# KiCad board haptic display 8x8 aisler.kicad_pcb (continued)
## Routing (per net, layer and track width the routed paths; a pad name or vN(x,y) marks a point on that pad's centre or on a via; arc(x,y) is an arc through that point) (continued)
66.88,65.98 66.99,65.75 67.07,65.51 67.12,65.26 67.14,65 67.13,64.74 67.08,64.49 67.01,64.24 66.91,64 66.78,63.77 66.62,63.56 66.44,63.37 66.24,63.21 66.01,63.07 65.78,62.96 65.52,62.87 65.26,62.82 65,62.8 64.75,62.81 64.51,62.85 64.27,62.91 64.04,63 63.82,63.12 63.61,63.26 63.42,63.42 63.25,63.61 63.1,63.81 62.98,64.03 62.88,64.26 62.8,64.5 62.76,64.75 62.74,65 62.75,65.25 62.79,65.51 62.85,65.75 62.95,65.99 63.07,66.22 63.21,66.43 63.38,66.62 63.57,66.8 63.77,66.95 64,67.08 64.24,67.18 64.48,67.26 64.74,67.31 65,67.33 65.26,67.31 65.52,67.28 65.77,67.21 66.02,67.11 66.25,66.99 66.47,66.84 66.67,66.67 66.85,66.47 67,66.26 67.13,66.03 67.24,65.78 67.32,65.53 67.37,65.27 67.39,65 67.38,64.73 67.34,64.47 67.27,64.21 67.17,63.96 67.04,63.72 66.89,63.49 66.71,63.29 66.51,63.11 66.29,62.94 66.06,62.81 65.8,62.7 65.54,62.62 65.27,62.57 65,62.55 64.74,62.56 64.49,62.6 64.24,62.66 64,62.75 63.76,62.86 63.55,63 63.34,63.16 63.15,63.34 62.99,63.54 62.84,63.75 62.72,63.98 62.62,64.23 62.55,64.48 62.51,64.74 62.49,65 62.5,65.26 62.53,65.52 62.6,65.78 62.69,66.03 62.81,66.27 62.95,66.49 63.11,66.7 63.3,66.89 63.5,67.06 63.72,67.21 63.96,67.34 64.21,67.44 64.47,67.51 64.73,67.56 65,67.58 65.27,67.57 65.54,67.53 65.8,67.46 66.05,67.37 66.3,67.25 66.53,67.1 66.74,66.94 66.94,66.75 67.11,66.54 67.27,66.31 67.39,66.07 67.5,65.81 67.57,65.55 67.62,65.28 67.64,65 67.63,64.72 67.59,64.45 67.52,64.18 67.42,63.92 67.3,63.67 67.15,63.44 66.98,63.22 66.79,63.02 66.57,62.84 66.34,62.68 66.09,62.55 65.83,62.44 65.56,62.37 65.28,62.32 65,62.3 64.73,62.31 64.47,62.34 64.21,62.41 63.96,62.49 63.72,62.6 63.49,62.74 63.27,62.89 63.07,63.07 62.89,63.26 62.72,63.48 62.58,63.71 62.46,63.95 62.37,64.2 62.3,64.46 62.25,64.73 62.24,65 62.25,65.27 62.28,65.54 62.35,65.81 62.43,66.06 62.55,66.31 62.68,66.55 62.84,66.77 63.02,66.98 63.23,67.16 63.44,67.33 63.68,67.47 63.92,67.6 64.18,67.69 64.45,67.76 64.72,67.81 65,67.83 65.28,67.82 65.55,67.78 65.82,67.71 66.09,67.62 66.34,67.51 66.58,67.37 66.81,67.2 67.02,67.02 67.21,66.81 67.38,66.59 67.53,66.35 67.65,66.1 67.75,65.83 67.82,65.56 67.87,65.28 67.89,65 67.88,64.72 67.84,64.44 67.77,64.16 67.68,63.89 67.56,63.63 67.42,63.38 67.25,63.15 67.06,62.94 66.85,62.74 66.63,62.57 66.38,62.42 66.12,62.29 65.85,62.19 65.57,62.11 65.29,62.07 65,62.05 64.73,62.06 64.46,62.09 64.19,62.15 63.93,62.24 63.68,62.34 63.44,62.47 63.21,62.63 62.99,62.8 62.8,62.99 62.62,63.2 62.46,63.43 62.32,63.67 62.2,63.92 62.11,64.18 62.05,64.45 62,64.72 61.99,65 62,65.28 62.03,65.55 62.09,65.83 62.18,66.09 62.29,66.35 62.42,66.6 62.58,66.83 62.75,67.05 62.95,67.25 63.16,67.43 63.39,67.6 63.64,67.74 63.89,67.85 64.16,67.95 64.44,68.02 64.72,68.06 65,68.08 65.28,68.07 65.57,68.03 65.84,67.97 66.12,67.88 66.38,67.77 66.63,67.63 66.87,67.47 67.09,67.29 67.3,67.09 67.48,66.88 67.65,66.64 67.79,66.39 67.91,66.13 68.01,65.86 68.08,65.58 68.12,65.29 68.14,65 68.13,64.71 68.09,64.42 68.03,64.14 67.94,63.86 67.83,63.59 67.69,63.34 67.52,63.09 67.34,62.87 67.14,62.66 66.91,62.47 66.67,62.3 66.42,62.15 66.15,62.03 65.87,61.93 65.59,61.86 65.29,61.82 65,61.8 64.72,61.81 64.44,61.84 64.17,61.9 63.9,61.98 63.64,62.08 63.39,62.21 63.15,62.36 62.93,62.53 62.72,62.72 62.52,62.92 62.35,63.14 62.19,63.38 62.06,63.63 61.95,63.89 61.86,64.16 61.79,64.43 61.75,64.72 61.74,65 61.75,65.28 61.78,65.57 61.84,65.85 61.92,66.12 62.03,66.39 62.16,66.64 62.31,66.89 62.48,67.11 62.67,67.33 62.88,67.53 63.11,67.7 63.35,67.86 63.6,68 63.87,68.11 64.14,68.2 64.42,68.27 64.71,68.31 65,68.33 65.29,68.32 65.58,68.28 65.86,68.22 66.14,68.14 66.41,68.03 66.67,67.9 66.92,67.74 67.16,67.57 67.37,67.37 67.57,67.16 67.75,66.93 67.92,66.68 68.05,66.42 68.17,66.15 68.26,65.87 68.33,65.59 68.37,65.29 68.39,65 68.38,64.7 68.34,64.41 68.28,64.12 68.2,63.84 68.09,63.56 67.95,63.3 67.79,63.04 67.62,62.8 67.42,62.58 67.2,62.38 66.96,62.19 66.71,62.03 66.45,61.89 66.18,61.77 65.89,61.68 65.6,61.61 65.3,61.57 65,61.55 64.71,61.56 64.43,61.59 64.15,61.65 63.88,61.72 63.61,61.83 63.35,61.95 63.1,62.09 62.86,62.26 62.64,62.44 62.44,62.64 62.25,62.86 62.08,63.09 61.93,63.34 61.8,63.6 61.69,63.86 61.6,64.14 61.54,64.42 61.5,64.71 61.49,65 61.5,65.29 61.53,65.58 61.59,65.86 61.67,66.14 61.77,66.42 61.89,66.68 62.04,66.93 62.21,67.17 62.39,67.4 62.6,67.61 62.82,67.8 63.06,67.97 63.31,68.13 63.57,68.26 63.84,68.37 64.12,68.46 64.41,68.52 64.71,68.56 65,68.58 65.3,68.57 65.59,68.53 65.88,68.48 66.17,68.39 66.44,68.29 66.71,68.16 66.97,68.01 67.21,67.84 67.44,67.65 67.65,67.44 67.85,67.22 68.03,66.98 68.18,66.72 68.32,66.45 68.43,66.18 68.52,65.89 68.58,65.6 68.62,65.3 68.64,65 68.63,64.7 68.59,64.4 68.54,64.1 68.45,63.81 68.35,63.53 68.22,63.26 68.06,63 67.89,62.75 67.7,62.52 67.49,62.3 67.26,62.1 67.01,61.92 66.75,61.76 66.48,61.63 66.2,61.51 65.91,61.42 65.61,61.36 65.31,61.32 65,61.3 64.71,61.31 64.42,61.34 64.13,61.39 63.85,61.47 63.58,61.57 63.31,61.69 63.06,61.83 62.81,61.99 62.58,62.17 62.36,62.36 62.16,62.57 61.98,62.8 61.81,63.05 61.66,63.3 61.54,63.57 61.43,63.84 61.35,64.12 61.29,64.41 61.25,64.71 61.24,65 61.25,65.3 61.28,65.59 61.33,65.88 61.41,66.17 61.51,66.45 61.63,66.72 61.77,66.98 61.94,67.23 62.12,67.46 62.32,67.68 62.53,67.89 62.77,68.07 63.01,68.24 63.27,68.39 63.54,68.52 63.82,68.63 64.11,68.71 64.4,68.77 64.7,68.81 65,68.83 65.3,68.82 65.6,68.78 65.9,68.73 66.19,68.65 66.47,68.55 66.75,68.42 67.01,68.28 67.26,68.11 67.5,67.93 67.73,67.73 67.93,67.51 68.12,67.27 68.3,67.02 68.45,66.76 68.58,66.48 68.69,66.2 68.77,65.91 68.83,65.61 68.87,65.3 68.89,65 68.88,64.69 68.85,64.39 68.79,64.09 68.71,63.79 68.61,63.51 68.48,63.23 68.33,62.96 68.17,62.7 67.98,62.46 67.77,62.23 67.55,62.02 67.31,61.82 67.05,61.65 66.78,61.5 66.51,61.37 66.22,61.26 65.92,61.17 65.62,61.1 65.31,61.07 65,61.05 64.7,61.06 64.41,61.09 64.12,61.14 63.83,61.21 63.55,61.31 63.28,61.43 63.01,61.56 62.76,61.72 62.52,61.89 62.29,62.08 62.08,62.29 61.88,62.51 61.7,62.75 61.54,63 61.4,63.27 61.28,63.54 61.18,63.82 61.1,64.11 61.04,64.4 61,64.7 60.99,65 61,65.3 61.03,65.6 61.08,65.89 61.15,66.19 61.25,66.47 61.37,66.75 61.51,67.02 61.67,67.27 61.84,67.52 62.04,67.75 62.25,67.97 62.48,68.17 62.72,68.35 62.97,68.51 63.24,68.66 63.52,68.78 63.8,68.88 64.1,68.96 64.39,69.02 64.7,69.06 65,69.08 65.3,69.07 65.61,69.04 65.91,68.98 66.2,68.91 66.49,68.81 66.78,68.69 67.05,68.55 67.31,68.39 67.56,68.21 67.79,68.01 68.01,67.79 68.21,67.56 68.4,67.32 68.57,67.06 68.71,66.79 68.84,66.51 68.94,66.22 69.03,65.92 69.09,65.62 69.12,65.31 69.14,65 69.13,64.69 69.1,64.38 69.04,64.08 68.97,63.78 68.87,63.48 68.74,63.2 68.6,62.92 68.44,62.66 68.26,62.4 68.05,62.17 67.84,61.94 67.6,61.74 67.35,61.55 67.09,61.38 66.81,61.23 66.53,61.1 66.23,61 65.93,60.91 65.63,60.85 65.31,60.81 65,60.8 64.7,60.81 64.4,60.84 64.11,60.89 63.81,60.96 63.53,61.05 63.25,61.16 62.98,61.3 62.72,61.45 62.47,61.62 62.23,61.8 62.01,62.01 61.8,62.23 61.61,62.46 61.43,62.71 61.28,62.97 61.14,63.24 61.02,63.52 60.92,63.8 60.84,64.1 60.79,64.39 60.75,64.7 60.74,65 60.75,65.3 60.78,65.61 60.83,65.91 60.9,66.2 60.99,66.49 61.11,66.78 61.24,67.05 61.4,67.32 61.57,67.57 61.76,67.81 61.96,68.04 62.19,68.25 62.42,68.44 62.67,68.62 62.94,68.78 63.21,68.92 63.49,69.04 63.78,69.14 64.08,69.22 64.39,69.28 64.69,69.31 65,69.33 65.31,69.32 65.62,69.29 65.92,69.23 66.22,69.16 66.52,69.07 66.8,68.95 67.08,68.81 67.35,68.66 67.61,68.48 67.85,68.29 68.08,68.08 68.29,67.85 68.49,67.61 68.67,67.36 68.83,67.09 68.98,66.82 69.1,66.53 69.2,66.23 69.28,65.93 69.34,65.62 69.37,65.31 69.39,65 69.38,64.69 69.35,64.37 69.3,64.07 69.22,63.76 69.12,63.46 69.01,63.17 68.87,62.89 68.71,62.62 68.53,62.36 68.34,62.11 68.12,61.88 67.9,61.66 67.65,61.46 67.39,61.28 67.12,61.11 66.84,60.97 66.55,60.84 66.25,60.74 65.94,60.66 65.63,60.6 65.32,60.56 65,60.55 64.05,60.55 ; 64.59,48.98 64.63,48.97 65,48.6 65,48.55 64.79,48.56 64.59,48.6 64.39,48.67 64.2,48.76 64.03,48.88 63.88,49.03 63.75,49.19 63.64,49.38 63.56,49.58 63.51,49.79 63.49,50 63.5,50.22 63.54,50.43 63.61,50.64 63.71,50.83 63.84,51.01 63.99,51.17 64.16,51.31 64.35,51.42 64.56,51.5 64.78,51.55 65,51.58 65.22,51.56 65.45,51.52 65.66,51.45 65.86,51.34 66.05,51.21 66.22,51.05 66.36,50.87 66.47,50.67 66.56,50.46 66.62,50.23 66.64,50 66.63,49.77 66.58,49.54 66.51,49.31 66.4,49.1 66.26,48.91 66.09,48.74 65.91,48.59 65.7,48.47 65.48,48.38 65.24,48.32 65,48.3 64.78,48.31 64.56,48.35 64.34,48.41 64.14,48.51 63.95,48.63 63.78,48.78 63.62,48.94 63.49,49.13 63.39,49.33 63.31,49.55 63.26,49.77 63.24,50 63.25,50.23 63.29,50.46 63.36,50.68 63.46,50.89 63.58,51.09 63.73,51.27 63.9,51.43 64.1,51.56 64.31,51.67 64.53,51.75 64.76,51.8 65,51.83 65.24,51.81 65.48,51.77 65.7,51.7 65.92,51.6 66.13,51.47 66.31,51.31 66.48,51.13 66.62,50.93 66.73,50.72 66.81,50.49 66.87,50.25 66.89,50 66.88,49.75 66.83,49.51 66.76,49.27 66.65,49.05 66.52,48.84 66.36,48.64 66.17,48.47 65.96,48.33 65.74,48.21 65.5,48.13 65.25,48.07 65,48.05 64.76,48.06 64.53,48.1 64.3,48.16 64.08,48.26 63.88,48.38 63.69,48.52 63.52,48.68 63.36,48.87 63.24,49.07 63.13,49.29 63.06,49.52 63.01,49.76 62.99,50 63,50.24 63.04,50.48 63.1,50.72 63.2,50.94 63.32,51.16 63.47,51.35 63.64,51.53 63.83,51.69 64.04,51.82 64.27,51.93 64.51,52.01 64.75,52.06 65,52.08 65.25,52.06 65.5,52.02 65.74,51.95 65.97,51.85 66.19,51.73 66.4,51.57 66.58,51.4 66.74,51.2 66.88,50.98 66.99,50.75 67.07,50.51 67.12,50.26 67.14,50 67.13,49.74 67.08,49.49 67.01,49.24 66.91,49 66.78,48.77 66.62,48.56 66.44,48.37 66.24,48.21 66.01,48.07 65.78,47.96 65.52,47.87 65.26,47.82 65,47.8 64.75,47.81 64.51,47.85 64.27,47.91 64.04,48 63.82,48.12 63.61,48.26 63.42,48.42 63.25,48.61 63.1,48.81 62.98,49.03 62.88,49.26 62.8,49.5 62.76,49.75 62.74,50 62.75,50.25 62.79,50.51 62.85,50.75 62.95,50.99 63.07,51.22 63.21,51.43 63.38,51.62 63.57,51.8 63.77,51.95 64,52.08 64.24,52.18 64.48,52.26 64.74,52.31 65,52.33 65.26,52.31 65.52,52.28 65.77,52.21 66.02,52.11 66.25,51.99 66.47,51.84 66.67,51.67 66.85,51.47 67,51.26 67.13,51.03 67.24,50.78 67.32,50.53 67.37,50.27 67.39,50 67.38,49.73 67.34,49.47 67.27,49.21 67.17,48.96 67.04,48.72 66.89,48.49 66.71,48.29 66.51,48.11 66.29,47.94 66.06,47.81 65.8,47.7 65.54,47.62 65.27,47.57 65,47.55 64.74,47.56 64.49,47.6 64.24,47.66 64,47.75 63.76,47.86 63.55,48 63.34,48.16 63.15,48.34 62.99,48.54 62.84,48.75 62.72,48.98 62.62,49.23 62.55,49.48 62.51,49.74 62.49,50 62.5,50.26 62.53,50.52 62.6,50.78 62.69,51.03 62.81,51.27 62.95,51.49 63.11,51.7 63.3,51.89 63.5,52.06 63.72,52.21 63.96,52.34 64.21,52.44 64.47,52.51 64.73,52.56 65,52.58 65.27,52.57 65.54,52.53 65.8,52.46 66.05,52.37 66.3,52.25 66.53,52.1 66.74,51.94 66.94,51.75 67.11,51.54 67.27,51.31 67.39,51.07 67.5,50.81 67.57,50.55 67.62,50.28 67.64,50 67.63,49.72 67.59,49.45 67.52,49.18 67.42,48.92 67.3,48.67 67.15,48.44 66.98,48.22 66.79,48.02 66.57,47.84 66.34,47.68 66.09,47.55 65.83,47.44 65.56,47.37 65.28,47.32 65,47.3 64.73,47.31 64.47,47.34 64.21,47.41 63.96,47.49 63.72,47.6 63.49,47.74 63.27,47.89 63.07,48.07 62.89,48.26 62.72,48.48 62.58,48.71 62.46,48.95 62.37,49.2 62.3,49.46 62.25,49.73 62.24,50 62.25,50.27 62.28,50.54 62.35,50.81 62.43,51.06 62.55,51.31 62.68,51.55 62.84,51.77 63.02,51.98 63.23,52.16 63.44,52.33 63.68,52.47 63.92,52.6 64.18,52.69 64.45,52.76 64.72,52.81 65,52.83 65.28,52.82 65.55,52.78 65.82,52.71 66.09,52.62 66.34,52.51 66.58,52.37 66.81,52.2 67.02,52.02 67.21,51.81 67.38,51.59 67.53,51.35 67.65,51.1 67.75,50.83 67.82,50.56 67.87,50.28 67.89,50 67.88,49.72 67.84,49.44 67.77,49.16 67.68,48.89 67.56,48.63 67.42,48.38 67.25,48.15 67.06,47.94 66.85,47.74 66.63,47.57 66.38,47.42 66.12,47.29 65.85,47.19 65.57,47.11 65.29,47.07 65,47.05 64.73,47.06 64.46,47.09 64.19,47.15 63.93,47.24 63.68,47.34 63.44,47.47 63.21,47.63 62.99,47.8 62.8,47.99 62.62,48.2 62.46,48.43 62.32,48.67 62.2,48.92 62.11,49.18 62.05,49.45 62,49.72 61.99,50 62,50.28 62.03,50.55 62.09,50.83 62.18,51.09 62.29,51.35 62.42,51.6 62.58,51.83 62.75,52.05 62.95,52.25 63.16,52.43 63.39,52.6 63.64,52.74 63.89,52.85 64.16,52.95 64.44,53.02 64.72,53.06 65,53.08 65.28,53.07 65.57,53.03 65.84,52.97 66.12,52.88 66.38,52.77 66.63,52.63 66.87,52.47 67.09,52.29 67.3,52.09 67.48,51.88 67.65,51.64 67.79,51.39 67.91,51.13 68.01,50.86 68.08,50.58 68.12,50.29 68.14,50 68.13,49.71 68.09,49.42 68.03,49.14 67.94,48.86 67.83,48.59 67.69,48.34 67.52,48.09 67.34,47.87 67.14,47.66 66.91,47.47 66.67,47.3 66.42,47.15 66.15,47.03 65.87,46.93 65.59,46.86 65.29,46.82 65,46.8 64.72,46.81 64.44,46.84 64.17,46.9 63.9,46.98 63.64,47.08 63.39,47.21 63.15,47.36 62.93,47.53 62.72,47.72 62.52,47.92 62.35,48.14 62.19,48.38 62.06,48.63 61.95,48.89 61.86,49.16 61.79,49.43 61.75,49.72 61.74,50 61.75,50.28 61.78,50.57 61.84,50.85 61.92,51.12 62.03,51.39 62.16,51.64 62.31,51.89 62.48,52.11 62.67,52.33 62.88,52.53 63.11,52.7 63.35,52.86 63.6,53 63.87,53.11 64.14,53.2 64.42,53.27 64.71,53.31 65,53.33 65.29,53.32 65.58,53.28 65.86,53.22 66.14,53.14 66.41,53.03 66.67,52.9 66.92,52.74 67.16,52.57 67.37,52.37 67.57,52.16 67.75,51.93 67.92,51.68 68.05,51.42 68.17,51.15 68.26,50.87 68.33,50.59 68.37,50.29 68.39,50 68.38,49.7 68.34,49.41 68.28,49.12 68.2,48.84 68.09,48.56 67.95,48.3 67.79,48.04 67.62,47.8 67.42,47.58 67.2,47.38 66.96,47.19 66.71,47.03 66.45,46.89 66.18,46.77 65.89,46.68 65.6,46.61 65.3,46.57 65,46.55 64.71,46.56 64.43,46.59 64.15,46.65 63.88,46.72 63.61,46.83 63.35,46.95 63.1,47.09 62.86,47.26 62.64,47.44 62.44,47.64 62.25,47.86 62.08,48.09 61.93,48.34 61.8,48.6 61.69,48.86 61.6,49.14 61.54,49.42 61.5,49.71 61.49,50 61.5,50.29 61.53,50.58 61.59,50.86 61.67,51.14 61.77,51.42 61.89,51.68 62.04,51.93 62.21,52.17 62.39,52.4 62.6,52.61 62.82,52.8 63.06,52.97 63.31,53.13 63.57,53.26 63.84,53.37 64.12,53.46 64.41,53.52 64.71,53.56 65,53.58 65.3,53.57 65.59,53.53 65.88,53.48 66.17,53.39 66.44,53.29 66.71,53.16 66.97,53.01 67.21,52.84 67.44,52.65 67.65,52.44 67.85,52.22 68.03,51.98 68.18,51.72 68.32,51.45 68.43,51.18 68.52,50.89 68.58,50.6 68.62,50.3 68.64,50 68.63,49.7 68.59,49.4 68.54,49.1 68.45,48.81 68.35,48.53 68.22,48.26 68.06,48 67.89,47.75 67.7,47.52 67.49,47.3 67.26,47.1 67.01,46.92 66.75,46.76 66.48,46.63 66.2,46.51 65.91,46.42 65.61,46.36 65.31,46.32 65,46.3 64.71,46.31 64.42,46.34 64.13,46.39 63.85,46.47 63.58,46.57 63.31,46.69 63.06,46.83 62.81,46.99 62.58,47.17 62.36,47.36 62.16,47.57 61.98,47.8 61.81,48.05 61.66,48.3 61.54,48.57 61.43,48.84 61.35,49.12 61.29,49.41 61.25,49.71 61.24,50 61.25,50.3 61.28,50.59 61.33,50.88 61.41,51.17 61.51,51.45 61.63,51.72 61.77,51.98 61.94,52.23 62.12,52.46 62.32,52.68 62.53,52.89 62.77,53.07 63.01,53.24 63.27,53.39 63.54,53.52 63.82,53.63 64.11,53.71 64.4,53.77 64.7,53.81 65,53.83 65.3,53.82 65.6,53.78 65.9,53.73 66.19,53.65 66.47,53.55 66.75,53.42 67.01,53.28 67.26,53.11 67.5,52.93 67.73,52.73 67.93,52.51 68.12,52.27 68.3,52.02 68.45,51.76 68.58,51.48 68.69,51.2 68.77,50.91 68.83,50.61 68.87,50.3 68.89,50 68.88,49.69 68.85,49.39 68.79,49.09 68.71,48.79 68.61,48.51 68.48,48.23 68.33,47.96 68.17,47.7 67.98,47.46 67.77,47.23 67.55,47.02 67.31,46.82 67.05,46.65 66.78,46.5 66.51,46.37 66.22,46.26 65.92,46.17 65.62,46.1 65.31,46.07 65,46.05 64.7,46.06 64.41,46.09 64.12,46.14 63.83,46.21 63.55,46.31 63.28,46.43 63.01,46.56 62.76,46.72 62.52,46.89 62.29,47.08 62.08,47.29 61.88,47.51 61.7,47.75 61.54,48 61.4,48.27 61.28,48.54 61.18,48.82 61.1,49.11 61.04,49.4 61,49.7 60.99,50 61,50.3 61.03,50.6 61.08,50.89 61.15,51.19 61.25,51.47 61.37,51.75 61.51,52.02 61.67,52.27 61.84,52.52 62.04,52.75 62.25,52.97 62.48,53.17 62.72,53.35 62.97,53.51 63.24,53.66 63.52,53.78 63.8,53.88 64.1,53.96 64.39,54.02 64.7,54.06 65,54.08 65.3,54.07 65.61,54.04 65.91,53.98 66.2,53.91 66.49,53.81 66.78,53.69 67.05,53.55 67.31,53.39 67.56,53.21 67.79,53.01 68.01,52.79 68.21,52.56 68.4,52.32 68.57,52.06 68.71,51.79 68.84,51.51 68.94,51.22 69.03,50.92 69.09,50.62 69.12,50.31 69.14,50 69.13,49.69 69.1,49.38 69.04,49.08 68.97,48.78 68.87,48.48 68.74,48.2 68.6,47.92 68.44,47.66 68.26,47.4 68.05,47.17 67.84,46.94 67.6,46.74 67.35,46.55 67.09,46.38 66.81,46.23 66.53,46.1 66.23,46 65.93,45.91 65.63,45.85 65.31,45.81 65,45.8 64.7,45.81 64.4,45.84 64.11,45.89 63.81,45.96 63.53,46.05 63.25,46.16 62.98,46.3 62.72,46.45 62.47,46.62 62.23,46.8 62.01,47.01 61.8,47.23 61.61,47.46 61.43,47.71 61.28,47.97 61.14,48.24 61.02,48.52 60.92,48.8 60.84,49.1 60.79,49.39 60.75,49.7 60.74,50 60.75,50.3 60.78,50.61 60.83,50.91 60.9,51.2 60.99,51.49 61.11,51.78 61.24,52.05 61.4,52.32 61.57,52.57 61.76,52.81 61.96,53.04 62.19,53.25 62.42,53.44 62.67,53.62 62.94,53.78 63.21,53.92 63.49,54.04 63.78,54.14 64.08,54.22 64.39,54.28 64.69,54.31 65,54.33 65.31,54.32 65.62,54.29 65.92,54.23 66.22,54.16 66.52,54.07 66.8,53.95 67.08,53.81 67.35,53.66 67.61,53.48 67.85,53.29 68.08,53.08 68.29,52.85 68.49,52.61 68.67,52.36 68.83,52.09 68.98,51.82 69.1,51.53 69.2,51.23 69.28,50.93 69.34,50.62 69.37,50.31 69.39,50 69.38,49.69 69.35,49.37 69.3,49.07 69.22,48.76 69.12,48.46 69.01,48.17 68.87,47.89 68.71,47.62 68.53,47.36 68.34,47.11 68.12,46.88 67.9,46.66 67.65,46.46 67.39,46.28 67.12,46.11 66.84,45.97 66.55,45.84 66.25,45.74 65.94,45.66 65.63,45.6 65.32,45.56 65,45.55 64.05,45.55 ; 64.59,33.98 64.63,33.97 65,33.6 65,33.55 64.79,33.56 64.59,33.6 64.39,33.67 64.2,33.76 64.03,33.88 63.88,34.03 63.75,34.19 63.64,34.38 63.56,34.58 63.51,34.79 63.49,35 63.5,35.22 63.54,35.43 63.61,35.64 63.71,35.83 63.84,36.01 63.99,36.17 64.16,36.31 64.35,36.42 64.56,36.5 64.78,36.55 65,36.57 65.22,36.56 65.45,36.52 65.66,36.45 65.86,36.34 66.05,36.21 66.22,36.05 66.36,35.87 66.47,35.67 66.56,35.46 66.62,35.23 66.64,35 66.63,34.77 66.58,34.54 66.51,34.31 66.4,34.1 66.26,33.91 66.09,33.74 65.91,33.59 65.7,33.47 65.48,33.38 65.24,33.32 65,33.3 64.78,33.31 64.56,33.35 64.34,33.41 64.14,33.51 63.95,33.63 63.78,33.78 63.62,33.94 63.49,34.13 63.39,34.33 63.31,34.55 63.26,34.77 63.24,35 63.25,35.23 63.29,35.46 63.36,35.68 63.46,35.89 63.58,36.09 63.73,36.27 63.9,36.43 64.1,36.56 64.31,36.67 64.53,36.75 64.76,36.8 65,36.82 65.24,36.81 65.48,36.77 65.7,36.7 65.92,36.6 66.13,36.47 66.31,36.31 66.48,36.13 66.62,35.93 66.73,35.72 66.81,35.49 66.87,35.25 66.89,35 66.88,34.75 66.83,34.51 66.76,34.27 66.65,34.05 66.52,33.84 66.36,33.64 66.17,33.47 65.96,33.33 65.74,33.21 65.5,33.13 65.25,33.07 65,33.05 64.76,33.06 64.53,33.1 64.3,33.16 64.08,33.26 63.88,33.38 63.69,33.52 63.52,33.68 63.36,33.87 63.24,34.07 63.13,34.29 63.06,34.52 63.01,34.76 62.99,35 63,35.24 63.04,35.48 63.1,35.72 63.2,35.94 63.32,36.16 63.47,36.35 63.64,36.53 63.83,36.69 64.04,36.82 64.27,36.93 64.51,37.01 64.75,37.06 65,37.07 65.25,37.06 65.5,37.02 65.74,36.95 65.97,36.85 66.19,36.73 66.4,36.57 66.58,36.4 66.74,36.2 66.88,35.98 66.99,35.75 67.07,35.51 67.12,35.26 67.14,35 67.13,34.74 67.08,34.49 67.01,34.24 66.91,34 66.78,33.77 66.62,33.56 66.44,33.37 66.24,33.21 66.01,33.07 65.78,32.96 65.52,32.87 65.26,32.82 65,32.8 64.75,32.81 64.51,32.85 64.27,32.91 64.04,33 63.82,33.12 63.61,33.26 63.42,33.42 63.25,33.61 63.1,33.81 62.98,34.03 62.88,34.26 62.8,34.5 62.76,34.75 62.74,35 62.75,35.25 62.79,35.51 62.85,35.75 62.95,35.99 63.07,36.22 63.21,36.43 63.38,36.62 63.57,36.8 63.77,36.95 64,37.08 64.24,37.18 64.48,37.26 64.74,37.31 65,37.32 65.26,37.31 65.52,37.28 65.77,37.21 66.02,37.11 66.25,36.99 66.47,36.84 66.67,36.67 66.85,36.47 67,36.26 67.13,36.03 67.24,35.78 67.32,35.53 67.37,35.27 67.39,35 67.38,34.73 67.34,34.47 67.27,34.21 67.17,33.96 67.04,33.72 66.89,33.49 66.71,33.29 66.51,33.11 66.29,32.94 66.06,32.81 65.8,32.7 65.54,32.62 65.27,32.57 65,32.55 64.74,32.56 64.49,32.6 64.24,32.66 64,32.75 63.76,32.86 63.55,33 63.34,33.16 63.15,33.34 62.99,33.54 62.84,33.75 62.72,33.98 62.62,34.23 62.55,34.48 62.51,34.74 62.49,35 62.5,35.26 62.53,35.52 62.6,35.78 62.69,36.03 62.81,36.27 62.95,36.49 63.11,36.7 63.3,36.89 63.5,37.06 63.72,37.21 63.96,37.34 64.21,37.44 64.47,37.51 64.73,37.56 65,37.57 65.27,37.57 65.54,37.53 65.8,37.46 66.05,37.37 66.3,37.25 66.53,37.1 66.74,36.94 66.94,36.75 67.11,36.54 67.27,36.31 67.39,36.07 67.5,35.81 67.57,35.55 67.62,35.28 67.64,35 67.63,34.72 67.59,34.45 67.52,34.18 67.42,33.92 67.3,33.67 67.15,33.44 66.98,33.22 66.79,33.02 66.57,32.84 66.34,32.68 66.09,32.55 65.83,32.44 65.56,32.37 65.28,32.32 65,32.3 64.73,32.31 64.47,32.34 64.21,32.41 63.96,32.49 63.72,32.6 63.49,32.74 63.27,32.89 63.07,33.07 62.89,33.26 62.72,33.48 62.58,33.71 62.46,33.95 62.37,34.2 62.3,34.46 62.25,34.73 62.24,35 62.25,35.27 62.28,35.54 62.35,35.81 62.43,36.06 62.55,36.31 62.68,36.55 62.84,36.77 63.02,36.98 63.23,37.16 63.44,37.33 63.68,37.47 63.92,37.6 64.18,37.69 64.45,37.76 64.72,37.81 65,37.82 65.28,37.82 65.55,37.78 65.82,37.71 66.09,37.62 66.34,37.51 66.58,37.37 66.81,37.2 67.02,37.02 67.21,36.81 67.38,36.59 67.53,36.35 67.65,36.1 67.75,35.83 67.82,35.56 67.87,35.28 67.89,35 67.88,34.72 67.84,34.44 67.77,34.16 67.68,33.89 67.56,33.63 67.42,33.38 67.25,33.15 67.06,32.94 66.85,32.74 66.63,32.57 66.38,32.42 66.12,32.29 65.85,32.19 65.57,32.11 65.29,32.07 65,32.05 64.73,32.06 64.46,32.09 64.19,32.15 63.93,32.24 63.68,32.34 63.44,32.47 63.21,32.63 62.99,32.8 62.8,32.99 62.62,33.2 62.46,33.43 62.32,33.67 62.2,33.92 62.11,34.18 62.05,34.45 62,34.72 61.99,35 62,35.28 62.03,35.55 62.09,35.83 62.18,36.09 62.29,36.35 62.42,36.6 62.58,36.83 62.75,37.05 62.95,37.25 63.16,37.43 63.39,37.6 63.64,37.74 63.89,37.85 64.16,37.95 64.44,38.02 64.72,38.06 65,38.07 65.28,38.07 65.57,38.03 65.84,37.97 66.12,37.88 66.38,37.77 66.63,37.63 66.87,37.47 67.09,37.29 67.3,37.09 67.48,36.88 67.65,36.64 67.79,36.39 67.91,36.13 68.01,35.86 68.08,35.58 68.12,35.29 68.14,35 68.13,34.71 68.09,34.42 68.03,34.14 67.94,33.86 67.83,33.59 67.69,33.34 67.52,33.09 67.34,32.87 67.14,32.66 66.91,32.47 66.67,32.3 66.42,32.15 66.15,32.03 65.87,31.93 65.59,31.86 65.29,31.82 65,31.8 64.72,31.81 64.44,31.84 64.17,31.9 63.9,31.98 63.64,32.08 63.39,32.21 63.15,32.36 62.93,32.53 62.72,32.72 62.52,32.92 62.35,33.14 62.19,33.38 62.06,33.63 61.95,33.89 61.86,34.16 61.79,34.43 61.75,34.72 61.74,35 61.75,35.28 61.78,35.57 61.84,35.85 61.92,36.12 62.03,36.39 62.16,36.64 62.31,36.89 62.48,37.11 62.67,37.33 62.88,37.53 63.11,37.7 63.35,37.86 63.6,38 63.87,38.11 64.14,38.2 64.42,38.27 64.71,38.31 65,38.32 65.29,38.32 65.58,38.28 65.86,38.22 66.14,38.14 66.41,38.03 66.67,37.9 66.92,37.74 67.16,37.57 67.37,37.37 67.57,37.16 67.75,36.93 67.92,36.68 68.05,36.42 68.17,36.15 68.26,35.87 68.33,35.59 68.37,35.29 68.39,35 68.38,34.7 68.34,34.41 68.28,34.12 68.2,33.84 68.09,33.56 67.95,33.3 67.79,33.04 67.62,32.8 67.42,32.58 67.2,32.38 66.96,32.19 66.71,32.03 66.45,31.89 66.18,31.77 65.89,31.68 65.6,31.61 65.3,31.57 65,31.55 64.71,31.56 64.43,31.59 64.15,31.65 63.88,31.72 63.61,31.83 63.35,31.95 63.1,32.09 62.86,32.26 62.64,32.44 62.44,32.64 62.25,32.86 62.08,33.09 61.93,33.34 61.8,33.6 61.69,33.86 61.6,34.14 61.54,34.42 61.5,34.71 61.49,35 61.5,35.29 61.53,35.58 61.59,35.86 61.67,36.14 61.77,36.42 61.89,36.68 62.04,36.93 62.21,37.17 62.39,37.4 62.6,37.61 62.82,37.8 63.06,37.97 63.31,38.13 63.57,38.26 63.84,38.37 64.12,38.46 64.41,38.52 64.71,38.56 65,38.57 65.3,38.57 65.59,38.53 65.88,38.48 66.17,38.39 66.44,38.29 66.71,38.16 66.97,38.01 67.21,37.84 67.44,37.65 67.65,37.44 67.85,37.22 68.03,36.98 68.18,36.72 68.32,36.45 68.43,36.18 68.52,35.89 68.58,35.6 68.62,35.3 68.64,35 68.63,34.7 68.59,34.4 68.54,34.1 68.45,33.81 68.35,33.53 68.22,33.26 68.06,33 67.89,32.75 67.7,32.52 67.49,32.3 67.26,32.1 67.01,31.92 66.75,31.76 66.48,31.63 66.2,31.51 65.91,31.42 65.61,31.36 65.31,31.32 65,31.3 64.71,31.31 64.42,31.34 64.13,31.39 63.85,31.47 63.58,31.57 63.31,31.69 63.06,31.83 62.81,31.99 62.58,32.17 62.36,32.36 62.16,32.57 61.98,32.8 61.81,33.05 61.66,33.3 61.54,33.57 61.43,33.84 61.35,34.12 61.29,34.41 61.25,34.71 61.24,35 61.25,35.3 61.28,35.59 61.33,35.88 61.41,36.17 61.51,36.45 61.63,36.72 61.77,36.98 61.94,37.23 62.12,37.46 62.32,37.68 62.53,37.89 62.77,38.07 63.01,38.24 63.27,38.39 63.54,38.52 63.82,38.63 64.11,38.71 64.4,38.77 64.7,38.81 65,38.82 65.3,38.82 65.6,38.78 65.9,38.73 66.19,38.65 66.47,38.55 66.75,38.42 67.01,38.28 67.26,38.11 67.5,37.93 67.73,37.73 67.93,37.51 68.12,37.27 68.3,37.02 68.45,36.76 68.58,36.48 68.69,36.2 68.77,35.91 68.83,35.61 68.87,35.3 68.89,35 68.88,34.69 68.85,34.39 68.79,34.09 68.71,33.79 68.61,33.51 68.48,33.23 68.33,32.96 68.17,32.7 67.98,32.46 67.77,32.23 67.55,32.02 67.31,31.82 67.05,31.65 66.78,31.5 66.51,31.37 66.22,31.26 65.92,31.17 65.62,31.1 65.31,31.07 65,31.05 64.7,31.06 64.41,31.09 64.12,31.14 63.83,31.21 63.55,31.31 63.28,31.43 63.01,31.56 62.76,31.72 62.52,31.89 62.29,32.08 62.08,32.29 61.88,32.51 61.7,32.75 61.54,33 61.4,33.27 61.28,33.54 61.18,33.82 61.1,34.11 61.04,34.4 61,34.7 60.99,35 61,35.3 61.03,35.6 61.08,35.89 61.15,36.19 61.25,36.47 61.37,36.75 61.51,37.02 61.67,37.27 61.84,37.52 62.04,37.75 62.25,37.97 62.48,38.17 62.72,38.35 62.97,38.51 63.24,38.66 63.52,38.78 63.8,38.88 64.1,38.96 64.39,39.02 64.7,39.06 65,39.07 65.3,39.07 65.61,39.04 65.91,38.98 66.2,38.91 66.49,38.81 66.78,38.69 67.05,38.55 67.31,38.39 67.56,38.21 67.79,38.01 68.01,37.79 68.21,37.56 68.4,37.32 68.57,37.06 68.71,36.79 68.84,36.51 68.94,36.22 69.03,35.92 69.09,35.62 69.12,35.31 69.14,35 69.13,34.69 69.1,34.38 69.04,34.08 68.97,33.78 68.87,33.48 68.74,33.2 68.6,32.92 68.44,32.66 68.26,32.4 68.05,32.17 67.84,31.94 67.6,31.74 67.35,31.55 67.09,31.38 66.81,31.23 66.53,31.1 66.23,31 65.93,30.91 65.63,30.85 65.31,30.81 65,30.8 64.7,30.81 64.4,30.84 64.11,30.89 63.81,30.96 63.53,31.05 63.25,31.16 62.98,31.3 62.72,31.45 62.47,31.62 62.23,31.8 62.01,32.01 61.8,32.23 61.61,32.46 61.43,32.71 61.28,32.97 61.14,33.24 61.02,33.52 60.92,33.8 60.84,34.1 60.79,34.39 60.75,34.7 60.74,35 60.75,35.3 60.78,35.61 60.83,35.91 60.9,36.2 60.99,36.49 61.11,36.78 61.24,37.05 61.4,37.32 61.57,37.57 61.76,37.81 61.96,38.04 62.19,38.25 62.42,38.44 62.67,38.62 62.94,38.78 63.21,38.92 63.49,39.04 63.78,39.14 64.08,39.22 64.39,39.28 64.69,39.31 65,39.32 65.31,39.32 65.62,39.29 65.92,39.23 66.22,39.16 66.52,39.07 66.8,38.95 67.08,38.81 67.35,38.66 67.61,38.48 67.85,38.29 68.08,38.08 68.29,37.85 68.49,37.61 68.67,37.36 68.83,37.09 68.98,36.82 69.1,36.53 69.2,36.23 69.28,35.93 69.34,35.62 69.37,35.31 69.39,35 69.38,34.69 69.35,34.37 69.3,34.07 69.22,33.76 69.12,33.46 69.01,33.17 68.87,32.89 68.71,32.62 68.53,32.36 68.34,32.11 68.12,31.88 67.9,31.66 67.65,31.46 67.39,31.28 67.12,31.11 66.84,30.97 66.55,30.84 66.25,30.74 65.94,30.66 65.63,30.6 65.32,30.56 65,30.55 64.05,30.55 ; 64.59,18.98 64.63,18.97 65,18.6 65,18.55 64.79,18.56 64.59,18.6 64.39,18.67 64.2,18.76 64.03,18.88 63.88,19.03 63.75,19.19 63.64,19.38 63.56,19.58 63.51,19.79 63.49,20 63.5,20.22 63.54,20.43 63.61,20.64 63.71,20.83 63.84,21.01 63.99,21.17 64.16,21.31 64.35,21.42 64.56,21.5 64.78,21.55 65,21.57 65.22,21.56 65.45,21.52 65.66,21.45 65.86,21.34 66.05,21.21 66.22,21.05 66.36,20.87 66.47,20.67 66.56,20.46 66.62,20.23 66.64,20 66.63,19.77 66.58,19.54 66.51,19.31 66.4,19.1 66.26,18.91 66.09,18.74 65.91,18.59 65.7,18.47 65.48,18.38 65.24,18.32 65,18.3 64.78,18.31 64.56,18.35 64.34,18.41 64.14,18.51 63.95,18.63 63.78,18.78 63.62,18.94 63.49,19.13 63.39,19.33 63.31,19.55 63.26,19.77 63.24,20 63.25,20.23 63.29,20.46 63.36,20.68 63.46,20.89 63.58,21.09 63.73,21.27 63.9,21.43 64.1,21.56 64.31,21.67 64.53,21.75 64.76,21.8 65,21.82 65.24,21.81 65.48,21.77 65.7,21.7 65.92,21.6 66.13,21.47 66.31,21.31 66.48,21.13 66.62,20.93 66.73,20.72 66.81,20.49 66.87,20.25 66.89,20 66.88,19.75 66.83,19.51 66.76,19.27 66.65,19.05 66.52,18.84 66.36,18.64 66.17,18.47 65.96,18.33 65.74,18.21 65.5,18.13 65.25,18.07 65,18.05 64.76,18.06 64.53,18.1 64.3,18.16 64.08,18.26 63.88,18.38 63.69,18.52 63.52,18.68 63.36,18.87 63.24,19.07 63.13,19.29 63.06,19.52 63.01,19.76 62.99,20 63,20.24 63.04,20.48 63.1,20.72 63.2,20.94 63.32,21.16 63.47,21.35 63.64,21.53 63.83,21.69 64.04,21.82 64.27,21.93 64.51,22.01 64.75,22.06 65,22.07 65.25,22.06 65.5,22.02 65.74,21.95 65.97,21.85 66.19,21.73 66.4,21.57 66.58,21.4 66.74,21.2 66.88,20.98 66.99,20.75 67.07,20.51 67.12,20.26 67.14,20 67.13,19.74 67.08,19.49 67.01,19.24 66.91,19 66.78,18.77 66.62,18.56 66.44,18.37 66.24,18.21 66.01,18.07 65.78,17.96 65.52,17.87 65.26,17.82 65,17.8 64.75,17.81 64.51,17.85 64.27,17.91 64.04,18 63.82,18.12 63.61,18.26 63.42,18.42 63.25,18.61 63.1,18.81 62.98,19.03 62.88,19.26 62.8,19.5 62.76,19.75 62.74,20 62.75,20.25 62.79,20.51 62.85,20.75 62.95,20.99 63.07,21.22 63.21,21.43 63.38,21.62 63.57,21.8 63.77,21.95 64,22.08 64.24,22.18 64.48,22.26 64.74,22.31 65,22.32 65.26,22.31 65.52,22.28 65.77,22.21 66.02,22.11 66.25,21.99 66.47,21.84 66.67,21.67 66.85,21.47 67,21.26 67.13,21.03 67.24,20.78 67.32,20.53 67.37,20.27 67.39,20 67.38,19.73 67.34,19.47 67.27,19.21 67.17,18.96 67.04,18.72 66.89,18.49 66.71,18.29 66.51,18.11 66.29,17.94 66.06,17.81 65.8,17.7 65.54,17.62 65.27,17.57 65,17.55 64.74,17.56 64.49,17.6 64.24,17.66 64,17.75 63.76,17.86 63.55,18 63.34,18.16 63.15,18.34 62.99,18.54 62.84,18.75 62.72,18.98 62.62,19.23 62.55,19.48 62.51,19.74 62.49,20 62.5,20.26 62.53,20.52 62.6,20.78 62.69,21.03 62.81,21.27 62.95,21.49 63.11,21.7 63.3,21.89 63.5,22.06 63.72,22.21 63.96,22.34 64.21,22.44 64.47,22.51 64.73,22.56 65,22.57 65.27,22.57 65.54,22.53 65.8,22.46 66.05,22.37 66.3,22.25 66.53,22.1 66.74,21.94 66.94,21.75 67.11,21.54 67.27,21.31 67.39,21.07 67.5,20.81 67.57,20.55 67.62,20.28 67.64,20 67.63,19.72 67.59,19.45 67.52,19.18 67.42,18.92 67.3,18.67 67.15,18.44 66.98,18.22 66.79,18.02 66.57,17.84 66.34,17.68 66.09,17.55 65.83,17.44 65.56,17.37 65.28,17.32 65,17.3 64.73,17.31 64.47,17.34 64.21,17.41 63.96,17.49 63.72,17.6 63.49,17.74 63.27,17.89 63.07,18.07 62.89,18.26 62.72,18.48 62.58,18.71 62.46,18.95 62.37,19.2 62.3,19.46 62.25,19.73 62.24,20 62.25,20.27 62.28,20.54 62.35,20.81 62.43,21.06 62.55,21.31 62.68,21.55 62.84,21.77 63.02,21.98 63.23,22.16 63.44,22.33 63.68,22.47 63.92,22.6 64.18,22.69 64.45,22.76 64.72,22.81 65,22.82 65.28,22.82 65.55,22.78 65.82,22.71 66.09,22.62 66.34,22.51 66.58,22.37 66.81,22.2 67.02,22.02 67.21,21.81 67.38,21.59 67.53,21.35 67.65,21.1 67.75,20.83 67.82,20.56 67.87,20.28 67.89,20 67.88,19.72 67.84,19.44 67.77,19.16 67.68,18.89 67.56,18.63 67.42,18.38 67.25,18.15 67.06,17.94 66.85,17.74 66.63,17.57 66.38,17.42 66.12,17.29 65.85,17.19 65.57,17.11 65.29,17.07 65,17.05 64.73,17.06 64.46,17.09 64.19,17.15 63.93,17.24 63.68,17.34 63.44,17.47 63.21,17.63 62.99,17.8 62.8,17.99 62.62,18.2 62.46,18.43 62.32,18.67 62.2,18.92 62.11,19.18 62.05,19.45 62,19.72 61.99,20 62,20.28 62.03,20.55 62.09,20.83 62.18,21.09 62.29,21.35 62.42,21.6 62.58,21.83 62.75,22.05 62.95,22.25 63.16,22.43 63.39,22.6 63.64,22.74 63.89,22.85 64.16,22.95 64.44,23.02 64.72,23.06 65,23.07 65.28,23.07 65.57,23.03 65.84,22.97 66.12,22.88 66.38,22.77 66.63,22.63 66.87,22.47 67.09,22.29 67.3,22.09 67.48,21.88 67.65,21.64 67.79,21.39 67.91,21.13 68.01,20.86 68.08,20.58 68.12,20.29 68.14,20 68.13,19.71 68.09,19.42 68.03,19.14 67.94,18.86 67.83,18.59 67.69,18.34 67.52,18.09 67.34,17.87 67.14,17.66 66.91,17.47 66.67,17.3 66.42,17.15 66.15,17.03 65.87,16.93 65.59,16.86 65.29,16.82 65,16.8 64.72,16.81 64.44,16.84 64.17,16.9 63.9,16.98 63.64,17.08 63.39,17.21 63.15,17.36 62.93,17.53 62.72,17.72 62.52,17.92 62.35,18.14 62.19,18.38 62.06,18.63 61.95,18.89 61.86,19.16 61.79,19.43 61.75,19.72 61.74,20 61.75,20.28 61.78,20.57 61.84,20.85 61.92,21.12 62.03,21.39 62.16,21.64 62.31,21.89 62.48,22.11 62.67,22.33 62.88,22.53 63.11,22.7 63.35,22.86 63.6,23 63.87,23.11 64.14,23.2 64.42,23.27 64.71,23.31 65,23.32 65.29,23.32 65.58,23.28 65.86,23.22 66.14,23.14 66.41,23.03 66.67,22.9 66.92,22.74 67.16,22.57 67.37,22.37 67.57,22.16 67.75,21.93 67.92,21.68 68.05,21.42 68.17,21.15 68.26,20.87 68.33,20.59 68.37,20.29 68.39,20 68.38,19.7 68.34,19.41 68.28,19.12 68.2,18.84 68.09,18.56 67.95,18.3 67.79,18.04 67.62,17.8 67.42,17.58 67.2,17.38 66.96,17.19 66.71,17.03 66.45,16.89 66.18,16.77 65.89,16.68 65.6,16.61 65.3,16.57 65,16.55 64.71,16.56 64.43,16.59 64.15,16.65 63.88,16.72 63.61,16.83 63.35,16.95 63.1,17.09 62.86,17.26 62.64,17.44 62.44,17.64 62.25,17.86 62.08,18.09 61.93,18.34 61.8,18.6 61.69,18.86 61.6,19.14 61.54,19.42 61.5,19.71 61.49,20 61.5,20.29 61.53,20.58 61.59,20.86 61.67,21.14 61.77,21.42 61.89,21.68 62.04,21.93 62.21,22.17 62.39,22.4 62.6,22.61 62.82,22.8 63.06,22.97 63.31,23.13 63.57,23.26 63.84,23.37 64.12,23.46 64.41,23.52 64.71,23.56 65,23.57 65.3,23.57 65.59,23.53 65.88,23.48 66.17,23.39 66.44,23.29 66.71,23.16 66.97,23.01 67.21,22.84 67.44,22.65 67.65,22.44 67.85,22.22 68.03,21.98 68.18,21.72 68.32,21.45 68.43,21.18 68.52,20.89 68.58,20.6 68.62,20.3 68.64,20 68.63,19.7 68.59,19.4 68.54,19.1 68.45,18.81 68.35,18.53 68.22,18.26 68.06,18 67.89,17.75 67.7,17.52 67.49,17.3 67.26,17.1 67.01,16.92 66.75,16.76 66.48,16.63 66.2,16.51 65.91,16.42 65.61,16.36 65.31,16.32 65,16.3 64.71,16.31 64.42,16.34 64.13,16.39 63.85,16.47 63.58,16.57 63.31,16.69 63.06,16.83 62.81,16.99 62.58,17.17 62.36,17.36 62.16,17.57 61.98,17.8 61.81,18.05 61.66,18.3 61.54,18.57 61.43,18.84 61.35,19.12 61.29,19.41 61.25,19.71 61.24,20 61.25,20.3 61.28,20.59 61.33,20.88 61.41,21.17 61.51,21.45 61.63,21.72 61.77,21.98 61.94,22.23 62.12,22.46 62.32,22.68 62.53,22.89 62.77,23.07 63.01,23.24 63.27,23.39 63.54,23.52 63.82,23.63 64.11,23.71 64.4,23.77 64.7,23.81 65,23.82 65.3,23.82 65.6,23.78 65.9,23.73 66.19,23.65 66.47,23.55 66.75,23.42 67.01,23.28 67.26,23.11 67.5,22.93 67.73,22.73 67.93,22.51 68.12,22.27 68.3,22.02 68.45,21.76 68.58,21.48 68.69,21.2 68.77,20.91 68.83,20.61 68.87,20.3 68.89,20 68.88,19.69 68.85,19.39 68.79,19.09 68.71,18.79 68.61,18.51 68.48,18.23 68.33,17.96 68.17,17.7 67.98,17.46 67.77,17.23 67.55,17.02 67.31,16.82 67.05,16.65 66.78,16.5 66.51,16.37 66.22,16.26 65.92,16.17 65.62,16.1 65.31,16.07 65,16.05 64.7,16.06 64.41,16.09 64.12,16.14 63.83,16.21 63.55,16.31 63.28,16.43 63.01,16.56 62.76,16.72 62.52,16.89 62.29,17.08 62.08,17.29 61.88,17.51 61.7,17.75 61.54,18 61.4,18.27 61.28,18.54 61.18,18.82 61.1,19.11 61.04,19.4 61,19.7 60.99,20 61,20.3 61.03,20.6 61.08,20.89 61.15,21.19 61.25,21.47 61.37,21.75 61.51,22.02 61.67,22.27 61.84,22.52 62.04,22.75 62.25,22.97 62.48,23.17 62.72,23.35 62.97,23.51 63.24,23.66 63.52,23.78 63.8,23.88 64.1,23.96 64.39,24.02 64.7,24.06 65,24.07 65.3,24.07 65.61,24.04 65.91,23.98 66.2,23.91 66.49,23.81 66.78,23.69 67.05,23.55 67.31,23.39 67.56,23.21 67.79,23.01 68.01,22.79 68.21,22.56 68.4,22.32 68.57,22.06 68.71,21.79 68.84,21.51 68.94,21.22 69.03,20.92 69.09,20.62 69.12,20.31 69.14,20 69.13,19.69 69.1,19.38 69.04,19.08 68.97,18.78 68.87,18.48 68.74,18.2 68.6,17.92 68.44,17.66 68.26,17.4 68.05,17.17 67.84,16.94 67.6,16.74 67.35,16.55 67.09,16.38 66.81,16.23 66.53,16.1 66.23,16 65.93,15.91 65.63,15.85 65.31,15.81 65,15.8 64.7,15.81 64.4,15.84 64.11,15.89 63.81,15.96 63.53,16.05 63.25,16.16 62.98,16.3 62.72,16.45 62.47,16.62 62.23,16.8 62.01,17.01 61.8,17.23 61.61,17.46 61.43,17.71 61.28,17.97 61.14,18.24 61.02,18.52 60.92,18.8 60.84,19.1 60.79,19.39 60.75,19.7 60.74,20 60.75,20.3 60.78,20.61 60.83,20.91 60.9,21.2 60.99,21.49 61.11,21.78 61.24,22.05 61.4,22.32 61.57,22.57 61.76,22.81 61.96,23.04 62.19,23.25 62.42,23.44 62.67,23.62 62.94,23.78 63.21,23.92 63.49,24.04 63.78,24.14 64.08,24.22 64.39,24.28 64.69,24.31 65,24.32 65.31,24.32 65.62,24.29 65.92,24.23 66.22,24.16 66.52,24.07 66.8,23.95 67.08,23.81 67.35,23.66 67.61,23.48 67.85,23.29 68.08,23.08 68.29,22.85 68.49,22.61 68.67,22.36 68.83,22.09 68.98,21.82 69.1,21.53 69.2,21.23 69.28,20.93 69.34,20.62 69.37,20.31 69.39,20 69.38,19.69 69.35,19.37 69.3,19.07 69.22,18.76 69.12,18.46 69.01,18.17 68.87,17.89 68.71,17.62 68.53,17.36 68.34,17.11 68.12,16.88 67.9,16.66 67.65,16.46 67.39,16.28 67.12,16.11 66.84,15.97 66.55,15.84 66.25,15.74 65.94,15.66 65.63,15.6 65.32,15.56 65,15.55 64.05,15.55
  Front w0.25: 64.05,15.55 62.75,15.55 60.2,18.1 60.2,26.7 64.05,30.55 62.75,30.55 60.2,33.1 60.2,41.7 64.05,45.55 62.75,45.55 60.2,48.1 60.2,56.7 64.05,60.55 62.75,60.55 60.2,63.1 60.2,71.7 64.05,75.55 62.75,75.55 60.2,78.1 60.2,86.7 64.05,90.55 62.75,90.55 60.2,93.1 60.2,101.7 64.05,105.55 62.75,105.55 60.2,108.1 60.2,116.7 64.05,120.55 62.7,120.55 60.25,123 60.25,129.02 J1.4